# Altium PCB Iris.PcbDoc (part 11 of 13)
Units mm, origin at the board's own origin, x right, y up, seen from the top; angles counter-clockwise.
Board outline 100 x 72 mm, 6 copper layers (Top Layer, PowerPlane1, MidLayer1, MidLayer2, PowerPlane2, Bottom Layer), stack 1.561 mm thick; 396 components, 379 nets, 1616 pads, 658 vias.
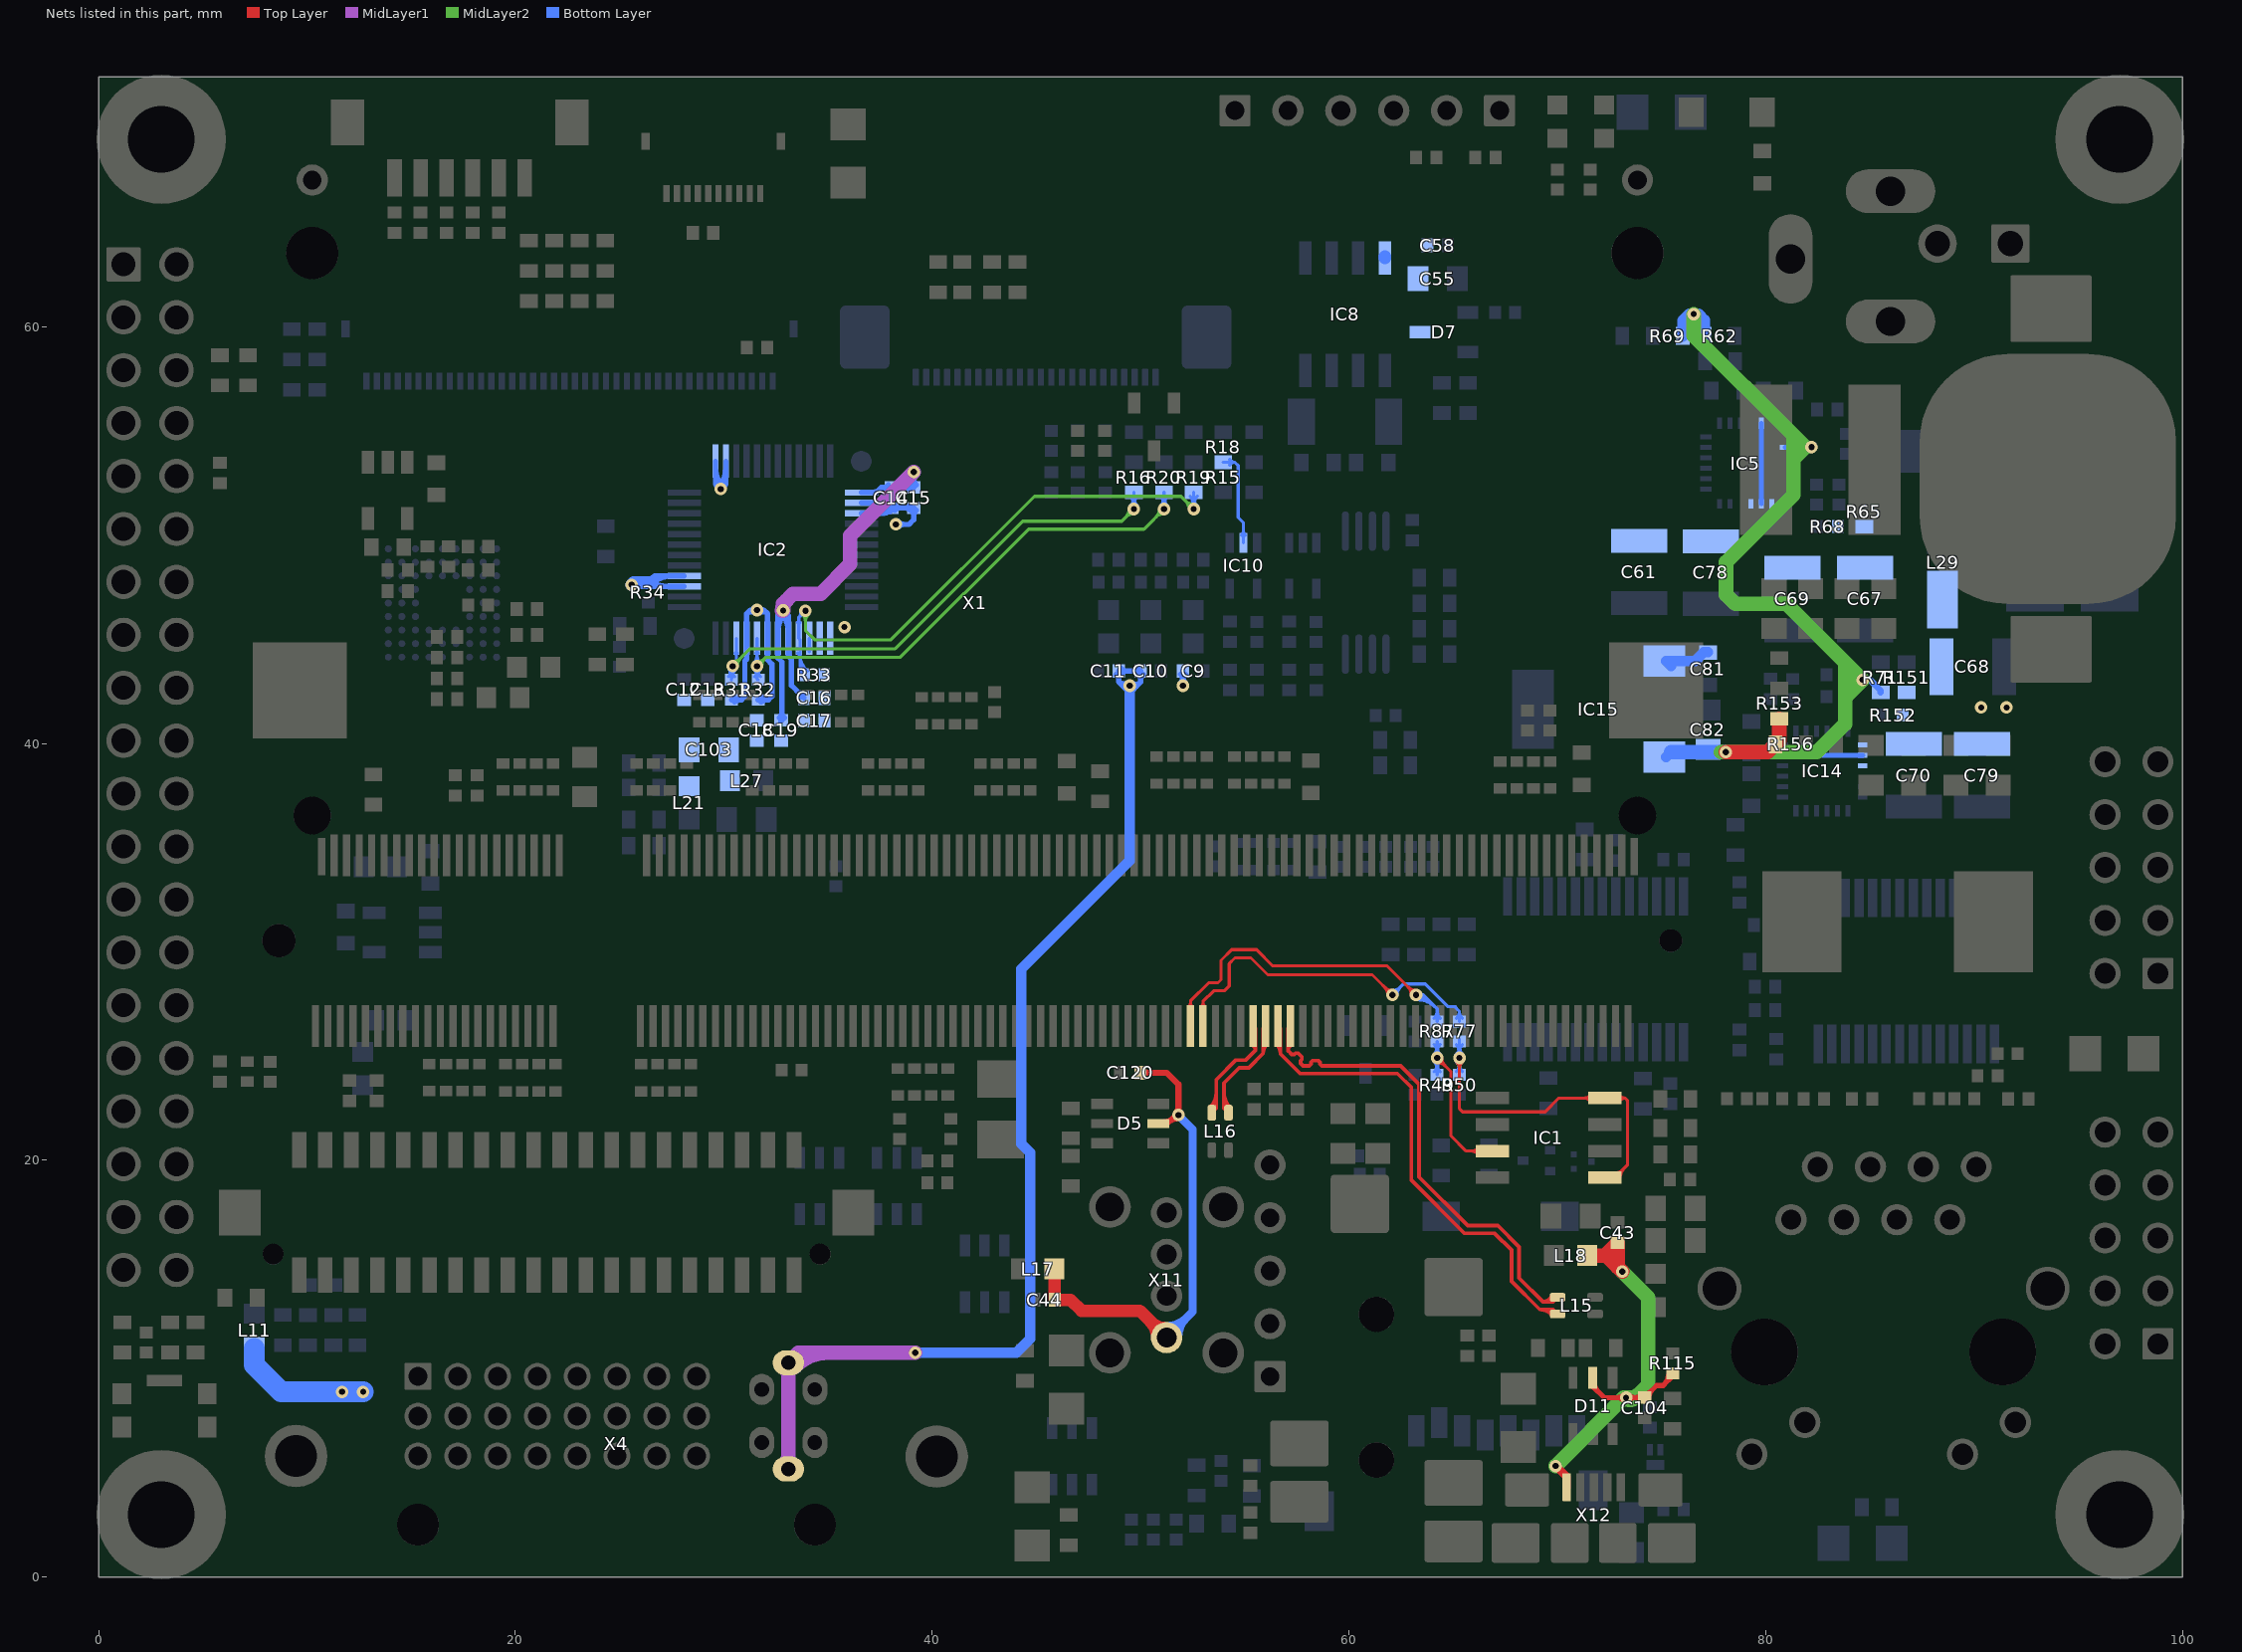
[diagram p15: the nets of this part, all layers, seen from the top]

## Via types
v1: diameter 0.6, hole 0.3, Top Layer to Bottom Layer, tented both sides, 651 vias
v2: diameter 0.55, hole 0.3, Top Layer to Bottom Layer, tented both sides, 7 vias

## Nets (pads, with @x,y where several pads share a name; then routed paths per layer and width w, separated by ;. In a path a pad name is that pad's centre, name@x,y a point inside that pad or via, vN(x,y) a via of type N, cw(c..) or ccw(c..) an arc to the next point about the centre after c; other vN are vias at no path point) (continued)
USB_OC: IC1.5 IC1.8 R50.1 R77.2 | length 24.5
  Top Layer w0.152: v1@65.147,24.759 cw(c64.765,24.377) 65.305,24.377 cw(c65.845,24.377) v1@65.463,24.759 ; v1@65.305,24.994 v1(65.305,24.917) 65.305,22.478 65.456,22.327 69.418,22.327 70.079,22.987 73.254,22.987 ; IC1.8@71.638,22.829 ccw(c71.256,22.447) 71.256,22.987 ccw(c71.256,23.527) IC1.8@71.638,23.145 ; IC1.5@72.296,19.177 72.771,19.177 73.381,19.787 73.381,22.86 73.254,22.987 ; IC1.5@72.796,19.401 ccw(c72.796,19.881) 73.135,19.541 ; IC1.8@72.973,22.85 cw(c73.254,22.631) 73.254,22.987 ; IC1.8@72.973,23.124 ccw(c73.254,23.343) 73.254,22.987 ; IC1.5@73.02,19.177 cw(c73.62,19.177) 73.196,19.602
  Bottom Layer w0.152: v1@65.147,24.759 cw(c64.768,24.38) R50.1@65.303,24.38 ; v1@65.147,25.076 ccw(c64.768,25.454) R77.2@65.303,25.454 ; R50.1@65.156,24.25 ccw(c64.799,24.606) 65.303,24.606 ccw(c65.807,24.606) R50.1@65.451,24.25 ; R77.2@65.156,25.56 cw(c64.799,25.203) 65.303,25.203 cw(c65.807,25.203) R77.2@65.451,25.56 ; v1@65.181,25.104 ccw(c65.065,25.279) 65.268,25.334 ; v1@65.193,25.111 ccw(c65.051,25.356) 65.325,25.283 ; 65.281,25.289 ccw(c65.563,25.364) v1@65.417,25.111 ; R50.1@65.303,24.102 R77.2@65.303,25.809 ; R50.1@65.303,24.374 cw(c65.849,24.374) v1@65.463,24.759 ; R77.2@65.303,25.461 ccw(c65.849,25.461) v1@65.463,25.076 ; 65.337,25.329 ccw(c65.532,25.277) v1@65.424,25.107
USB_OC_S: R77.1 X1.131 | length 19.8
  Top Layer w0.152: X1.131@52.93,27.392 ccw(c52.761,27.56) 53,27.56 ccw(c53.239,27.56) X1.131@53.07,27.392 ; X1.131@53,26.446 53,27.625 53.51,28.135 54.018,28.135 54.254,28.372 54.254,29.439 54.534,29.718 55.296,29.718 56.109,28.905 61.123,28.905 v1(62.092,27.936) ; v1@61.869,27.936 ccw(c61.328,27.936) 61.71,28.318 ccw(c62.092,28.7) v1@62.092,28.16
  Bottom Layer w0.152: v1(62.092,27.936) 62.619,28.462 63.664,28.462 64.745,27.381 65.075,27.381 65.303,27.153 ; v1@62.092,28.16 ccw(c62.092,28.7) 62.474,28.318 ccw(c62.856,27.936) v1@62.316,27.936 ; R77.1@65.16,26.819 ccw(c64.844,27.153) 65.303,27.153 ; R77.1@65.303,26.667 65.303,27.153 ; R77.1@65.447,26.819 cw(c65.763,27.153) 65.303,27.153
USB_P_EN: IC1.3 R49.1 R87.2 | length 13.9
  Top Layer w0.152: v1@64.237,24.694 cw(c64.237,24.153) 64.619,24.535 cw(c65.001,24.917) v1@64.46,24.917 ; v1(64.237,24.917) 64.897,24.257 64.897,21.184 65.634,20.447 IC1.3@66.896,20.447 ; IC1.3@66.238,20.289 ccw(c65.856,19.907) 65.856,20.447 ccw(c65.856,20.987) IC1.3@66.238,20.605
  Bottom Layer w0.152: v1@64.078,24.759 cw(c63.696,24.377) 64.237,24.377 cw(c64.777,24.377) v1@64.395,24.759 ; v1@64.078,25.076 ccw(c63.696,25.458) 64.237,25.458 ccw(c64.777,25.458) v1@64.395,25.076 ; R49.1@64.089,24.25 ccw(c63.733,24.606) 64.237,24.606 ccw(c64.741,24.606) R49.1@64.384,24.25 ; R87.2@64.089,25.56 cw(c63.733,25.203) 64.237,25.203 cw(c64.741,25.203) R87.2@64.384,25.56 ; v1@64.115,25.105 ccw(c64.003,25.278) 64.202,25.332 ; v1@64.125,25.111 ccw(c63.981,25.36) 64.259,25.286 ; 64.214,25.286 ccw(c64.492,25.36) v1@64.349,25.111 ; R49.1@64.237,24.105 v1(64.237,24.917) R87.2@64.237,25.707 ; 64.271,25.332 ccw(c64.47,25.278) v1@64.358,25.105
USB_P_EN_S: R87.1 X1.129 | length 21.2
  Top Layer w0.152: X1.129@52.33,27.392 ccw(c52.161,27.56) 52.4,27.56 ccw(c52.639,27.56) X1.129@52.47,27.392 ; X1.129@52.4,26.446 52.4,27.653 53.271,28.524 53.721,28.524 53.865,28.668 53.865,29.6 54.373,30.107 55.567,30.107 56.337,29.337 61.825,29.337 v1(63.226,27.936) ; v1@63.002,27.936 ccw(c62.462,27.936) 62.844,28.318 ccw(c63.226,28.7) v1@63.226,28.16
  Bottom Layer w0.152: v1@63.226,27.712 cw(c63.226,26.316) 64.213,27.303 ; v1@63.226,27.865 cw(c63.226,26.837) 63.953,27.564 ; v1(63.226,27.936) 63.58,27.936 ; v1@63.226,28.017 cw(c63.226,27.357) 63.693,27.824 ; v1@63.428,27.84 cw(c63.58,27.767) 63.58,27.936 ; v1@63.428,28.032 ccw(c63.58,28.105) 63.58,27.936 ; R87.1@64.089,26.815 ccw(c63.733,27.171) 64.237,27.171 ccw(c64.741,27.171) R87.1@64.384,26.815 ; R87.1@64.237,26.667 64.237,27.28 63.58,27.936
USBC_N: L15.1 X1.145 | length 24.6
  Top Layer w0.18: 57.085,25.244 cw(c57.456,25.244) X1.145@57.248,25.551 ; X1.145@57.2,26.446 57.085,26.331 57.085,25.262 57.259,25.087 57.382,25.087 57.44,25.145 57.563,25.145 57.747,24.961 57.747,24.838 57.689,24.78 57.689,24.658 57.81,24.536 57.963,24.536 58.093,24.536 58.18,24.623 58.18,24.705 58.267,24.791 58.527,24.791 58.614,24.705 58.614,24.623 58.701,24.536 59.36,24.536 62.484,24.536 63.373,23.647 63.373,19.202 65.71,16.866 67.158,16.866 68.174,15.85 68.174,14.351 69.309,13.215 ; 69.602,13.215 ccw(c69.602,13.557) L15.1@69.907,13.403 ; L15.1@69.746,13.484 cw(c69.309,13.704) 69.309,13.215 ; L15.1@70.018,13.43 69.803,13.215 69.309,13.215
USBC_P: L15.4 X1.143 | length 24.9
  Top Layer w0.18: X1.143@56.54,25.561 cw(c56.117,25.138) 56.715,25.138 ; X1.143@56.6,26.446 56.715,26.331 56.715,25.109 57.657,24.166 62.331,24.166 63.003,23.494 63.003,19.049 65.557,16.496 67.004,16.496 67.804,15.696 67.804,14.198 69.156,12.845 ; 69.531,12.845 cw(c69.531,12.372) L15.4@69.9,12.668 ; L15.4@69.759,12.555 ccw(c69.156,12.073) 69.156,12.845 ; L15.4@70.018,12.63 69.803,12.845 69.156,12.845
USBH_N: L16.1 X1.141 | length 7.1
  Top Layer w0.18: 54.008,22.826 ccw(c54.597,22.826) L16.1@54.18,22.409 ; 54.008,23.261 ccw(c55.031,23.261) L16.1@54.307,22.537 ; L16.1@54.223,22.287 54.008,22.502 54.008,23.716 54.738,24.446 55.205,24.446 55.885,25.126 55.885,26.331 X1.141@56,26.446 ; 55.885,25.138 cw(c56.483,25.138) X1.141@56.06,25.561
USBH_P: L16.4 X1.139 | length 7
  Top Layer w0.18: L16.4@53.338,22.537 ccw(c52.614,23.261) 53.638,23.261 ; L16.4@53.423,22.287 53.638,22.502 53.638,23.869 54.585,24.816 55.052,24.816 55.515,25.279 55.515,26.331 X1.139@55.4,26.446 ; L16.4@53.465,22.409 ccw(c53.048,22.826) 53.638,22.826 ; X1.139@55.355,25.549 cw(c55.174,25.26) 55.515,25.26
V_BACKUP: C55.2 C58.2 D7.3 IC8.8 | length 0.1
  Bottom Layer w0.6: IC8.8@61.722,63.304 IC8.8@61.722,63.373
V_SUPPLY_FILT: C61.2 C67.2 C68.2 C69.2 C70.2 C78.2 C79.2 C81.2 IC5.7 IC5.8 IC5.9 IC5.22-NC IC14.7 IC14.8 IC14.9 IC14.22-NC IC15.1 L11.1 L29.2 R65.1 R68.2 R151.1 R152.2 | length 16.8
  Bottom Layer w0.25: IC5.8@79.795,51.517 IC5.22-NC@79.795,55.367 ; IC14.22-NC@80.802,39.434 IC14.8@84.652,39.434
  Bottom Layer w0.5: IC15.1@75.466,43.725 75.235,43.956 76.62,43.956 77.05,44.385 C81.2@77.241,44.385
  Bottom Layer w1: L11.1@7.468,10.973 7.468,10.185 8.763,8.89 v1(12.691,8.89)
  other v1: 11.675,8.89 90.348,41.732 91.567,41.732
VCC_USB1: C44.2 C120.2 D5.5 L17.2 X11.1 | length 30.5
  Top Layer w0.254: D5.5@50.854,21.768 51.283,21.768 51.689,22.174 v1(51.816,22.174) ; D5.5@51.169,21.851 ccw(c51.169,22.326) 51.505,21.99 ; D5.5@51.304,21.789 cw(c51.816,21.277) 51.816,22.001 ccw(c51.816,21.277) D5.5@51.304,21.789
  Top Layer w0.3: C120.2@49.994,24.206 51.257,24.206 51.816,23.647 v1(51.816,22.174) ; C120.2@50.093,24.107 cw(c50.332,23.868) 50.332,24.206 cw(c50.332,24.544) C120.2@50.093,24.305 ; 51.816,22.536 cw(c51.454,22.536) 51.71,22.28 ccw(c51.454,22.536) 51.816,22.536 ; 51.816,22.536 ccw(c52.178,22.536) 51.922,22.28 cw(c52.178,22.536) 51.816,22.536
  Top Layer w0.6: L17.2@45.88,14.529 C44.2@45.88,13.31 46.634,13.31 47.168,12.776 49.966,12.776 X11.1@51.252,11.49 ; X11.1@50.802,11.49 ccw(c49.716,11.49) 50.484,12.258 ccw(c51.252,13.026) X11.1@51.252,11.94
  Bottom Layer w0.4: X11.1@51.252,11.49 52.502,12.74 52.502,21.488 v1(51.816,22.174) v1@51.816,22.25 ; X11.1@51.252,12.04 ccw(c51.252,13.368) 52.191,12.429 ccw(c53.13,11.49) X11.1@51.802,11.49
VCC_USB2: C43.2 C104.2 D11.5 L18.2 R115.1 X12.1 | length 27
  Top Layer w0.254: D11.5@71.708,9.559 71.708,9.166 72.263,8.611 C104.2@74.193,8.611 ; D11.5@71.791,9.244 ccw(c72.181,9.244) 71.905,8.969 ; v1@73.182,8.488 ccw(c72.887,8.193) 72.887,8.611 ccw(c72.887,9.028) v1@73.182,8.733 ; v1@73.427,8.488 cw(c73.722,8.193) 73.722,8.611 cw(c73.722,9.028) v1@73.427,8.733 ; 73.742,8.611 ccw(c73.742,9.029) C104.2@74.038,8.733 ; 73.778,8.611 cw(c73.778,8.242) C104.2@74.038,8.503 ; C104.2@74.193,8.618 74.77,9.195 75.082,9.195 75.54,9.652 R115.1@75.54,9.782 ; C104.2@74.233,8.781 ccw(c74.233,9.078) C104.2@74.443,8.868 ; C104.2@74.396,8.618 cw(c74.886,8.618) 74.54,8.965 ; 75.136,9.248 ccw(c74.602,9.782) R115.1@75.357,9.782
  Top Layer w0.4: v1(69.926,5.334) 70.456,4.804 X12.1@70.456,4.315
  Top Layer w0.7: L18.2@71.437,15.43 72.283,15.43 C43.2@72.898,16.045 72.898,14.884 ; 72.352,15.43 72.898,14.884 ; v1(73.127,14.656) 72.898,14.884
  MidLayer2 w0.7: v1(69.926,5.334) 73.203,8.611 73.762,8.611 ; v1(73.127,14.656) 74.371,13.411 74.371,9.22 73.762,8.611 ; v1@73.275,8.57 ccw(c73.494,8.878) 73.762,8.611 ; v1@73.304,8.561 ccw(c73.304,9.544) 74,8.849
  other v1: 73.304,8.611
VGA_AGND: C9.2 C10.2 C11.2 C14.1 C15.1 C16.1 C17.1 C18.1 C19.1 C103.1 IC2.1 IC2.2 IC2.14 IC2.15 IC2.25 IC2.26 IC2.27 IC2.31 IC2.33 IC2.39 IC2.40 L27.2 R31.1 R32.1 R33.1 R34.1 X4.C5 | length 107.7
  MidLayer1 w0.7: X4.C5@32.921,5.362 ccw(c32.494,5.789) 33.098,5.789 ccw(c33.701,5.789) X4.C5@33.275,5.362 ; X4.C5@32.921,10.108 cw(c32.494,9.681) 33.098,9.681 cw(c33.701,9.681) X4.C5@33.275,10.108 ; X4.C5@33.098,5.185 X4.C5@33.098,10.285 33.585,10.772 v1(39.192,10.772) ; X4.C5@33.425,10.108 cw(c35.028,8.505) 35.028,10.772
  Bottom Layer w0.152: IC2.27@34.1,44.417 IC2.27@34.1,45.05
  Bottom Layer w0.254: v1@25.649,47.847 ccw(c26.37,48.569) R34.1@26.371,47.549 ; v1@25.653,47.549 25.808,47.549 R34.1@26.371,47.549 ; R34.1@26.328,47.802 cw(c26.927,47.203) 26.927,48.05 ; R34.1@26.371,47.725 26.696,48.05 IC2.40@28.1,48.05 ; R34.1@26.396,47.892 ccw(c26.396,48.235) R34.1@26.638,47.992 ; R34.1@26.508,47.622 cw(c27.54,46.59) IC2.40@27.54,48.05 ; R34.1@26.507,47.846 ccw(c27.223,48.562) 27.224,47.55 ; R34.1@26.554,47.734 cw(c26.974,47.734) 26.677,48.031 ; IC2.39@28.1,47.55 R34.1@26.371,47.549 ; 29.6,52.633 ccw(c30.272,52.633) v1@29.797,52.158 ; IC2.1@29.6,53.246 ccw(c30.885,53.246) v1@29.976,52.337 ; IC2.1@29.6,53.55 29.6,52.461 29.85,52.211 30.1,52.461 IC2.2@30.1,53.55 ; v1@29.732,52.337 ccw(c28.842,53.227) IC2.2@30.1,53.227 ; v1@29.911,52.158 ccw(c29.456,52.613) 30.1,52.613 ; R31.1@30.371,42.101 30.849,42.101 31.013,42.266 31.013,43.967 31.1,44.054 IC2.33@31.1,45.05 31.1,46.234 ; R31.1@30.508,41.989 cw(c30.778,41.719) 30.778,42.101 cw(c30.778,42.482) R31.1@30.508,42.213 ; v1@31.456,46.315 ccw(c31.277,46.197) 31.277,46.411 ; v1@31.456,46.507 cw(c31.277,46.625) 31.277,46.411 ; v1@31.501,46.269 ccw(c31.322,46.012) 31.1,46.234 ; R32.1@31.651,42.101 32.144,42.101 32.309,42.266 32.309,43.815 32.1,44.024 IC2.31@32.1,45.05 32.1,46.234 ; v1@31.699,46.269 cw(c31.878,46.012) 32.1,46.234 ; v1@31.744,46.315 cw(c31.923,46.197) 31.923,46.411 ; v1@31.744,46.507 ccw(c31.923,46.625) 31.923,46.411 ; R32.1@31.788,41.989 cw(c32.057,41.719) 32.057,42.101 cw(c32.057,42.482) R32.1@31.788,42.213 ; IC2.15@36.6,51.05 37.689,51.05 ; IC2.14@36.6,51.55 37.689,51.55 ; IC2.15@36.982,51.05 ccw(c36.982,52.341) C14.1@37.895,51.428 ; IC2.14@37.044,51.55 cw(c37.044,50.347) C14.1@37.895,51.198 ; 37.595,51.05 ccw(c37.595,51.728) C14.1@38.074,51.249 ; 37.657,51.55 cw(c37.657,50.96) C14.1@38.074,51.377 ; C14.1@37.772,51.133 ccw(c37.593,51.313) C14.1@37.847,51.313 ; C14.1@37.952,51.313 C15.1@39.117,51.314 39.117,50.75 38.887,50.52 v1(38.253,50.52) ; C14.1@37.971,51.471 cw(c37.9,51.761) 37.689,51.55 ; C14.1@37.988,51.151 ccw(c37.941,50.798) 37.689,51.05 ; C14.1@38.205,51.198 cw(c38.483,50.919) 38.483,51.313 cw(c38.483,51.706) C14.1@38.205,51.428 ; v1@38.375,50.397 cw(c38.671,50.102) 38.671,50.52 cw(c38.671,50.937) v1@38.375,50.642 ; 38.681,51.313 ccw(c38.681,51.709) C15.1@38.961,51.429 ; 38.685,51.313 cw(c38.685,50.922) C15.1@38.961,51.198 ; C15.1@39.001,51.198 cw(c38.723,50.92) 39.117,50.92 cw(c39.51,50.92) C15.1@39.232,51.198 ; C11.2@48.838,43.33 cw(c48.56,43.051) 48.953,43.051 cw(c49.347,43.051) C11.2@49.068,43.33 ; C11.2@49.068,43.37 cw(c49.347,43.091) 49.347,43.485 cw(c49.347,43.878) C11.2@49.068,43.6 ; 49.174,42.749 ccw(c49.371,42.946) v1@49.524,42.713 ; v1@49.339,42.68 ccw(c49.142,42.538) 49.142,42.781 ; v1@49.339,42.882 cw(c49.142,43.024) 49.142,42.781 ; v1@49.384,42.925 cw(c49.196,43.212) 48.953,42.969 ; v1@49.43,42.717 ccw(c49.602,42.94) 49.802,42.74 ; v1@49.585,42.918 ccw(c49.78,43.169) 50.005,42.944 ; v1@49.614,42.672 cw(c49.842,42.487) 49.842,42.781 ; v1@49.614,42.89 ccw(c49.842,43.075) 49.842,42.781 ; C10.2@49.89,43.33 cw(c49.612,43.051) 50.005,43.051 cw(c50.399,43.051) C10.2@50.12,43.33 ; C10.2@49.89,43.37 ccw(c49.612,43.091) 49.612,43.485 ccw(c49.612,43.878) C10.2@49.89,43.6 ; v1@51.915,42.903 ccw(c51.62,43.199) 52.037,43.199 ccw(c52.455,43.199) v1@52.16,42.903 ; C9.2@51.922,43.33 cw(c51.644,43.051) 52.037,43.051 cw(c52.431,43.051) C9.2@52.152,43.33 ; v1@51.939,42.924 ccw(c51.831,43.081) 52.016,43.131 ; v1(52.037,42.781) C9.2@52.037,43.485 ; 52.059,43.131 ccw(c52.243,43.081) v1@52.135,42.924 ; 31.1,46.234 31.277,46.411 ; 31.277,46.411 v1(31.6,46.411) 31.923,46.411 ; 31.923,46.411 32.1,46.234 ; 37.689,51.05 37.939,51.3 37.689,51.55 ; 48.953,42.969 C11.2@48.953,43.485 C10.2@50.005,43.485 50.005,42.944 ; 48.953,42.969 49.142,42.781 ; 49.142,42.781 v1(49.479,42.781) 49.842,42.781 ; 49.142,42.781 49.403,42.52 49.581,42.52 49.842,42.781 ; 49.842,42.781 50.005,42.944
  Bottom Layer w0.5: v1(39.192,10.772) 44.046,10.772 44.704,11.43 44.704,20.371 44.272,20.803 44.272,29.184 49.479,34.391 v1(49.479,42.781)
  Bottom Layer w0.6: v1(25.578,47.623) 25.679,47.725 26.371,47.725 R34.1@26.543,47.725
  other v1: 35.789,45.593 29.854,52.215
VGA_AVCC: C12.2 C13.2 C14.2 C15.2 C16.2 C17.2 C18.2 C19.2 C103.2 IC2.13 IC2.29 IC2.30 L21.2 | length 31.9
  MidLayer1 w0.7: v1@32.8,46.389 cw(c33.475,46.389) 32.998,46.866 ; v1(32.85,46.389) 32.85,46.718 33.325,47.193 34.646,47.193 36.068,48.616 36.068,49.987 v1(39.117,53.035)
  Bottom Layer w0.254: IC2.30@32.6,45.368 cw(c33.871,45.368) v1@32.972,46.267 ; 32.6,45.981 cw(c33.258,45.981) v1@32.793,46.446 ; C19.2@32.674,41.238 ccw(c32.392,41.521) 32.791,41.521 ; v1@32.728,46.267 cw(c31.829,45.368) IC2.29@33.1,45.368 ; C19.2@32.749,41.078 32.791,41.12 32.791,43.917 32.6,44.108 IC2.30@32.6,45.05 32.6,46.139 v1(32.85,46.389) 33.1,46.139 IC2.29@33.1,45.05 33.1,44.192 33.249,44.044 ; 32.791,41.512 ccw(c33.179,41.512) C19.2@32.905,41.238 ; v1@32.907,46.446 cw(c32.442,45.981) 33.1,45.981 ; IC2.29@33.123,44.398 ccw(c33.558,44.353) 33.249,44.044 ; 33.504,42.536 ccw(c33.851,42.882) C16.2@33.851,42.392 ; C16.2@33.601,42.439 cw(c33.391,42.229) C16.2@33.688,42.229 ; C16.2@33.851,42.189 33.249,42.792 33.249,44.044 ; IC2.13@36.6,52.05 37.316,52.05 37.559,52.293 C14.2@37.998,52.293 ; IC2.13@37.25,52.073 ccw(c37.25,52.289) 37.402,52.136 ; C14.2@37.895,52.178 ccw(c37.616,51.899) 37.616,52.293 ccw(c37.616,52.686) C14.2@37.895,52.408 ; C14.2@38.05,52.293 39.117,52.293 v1(39.117,53.035) ; C14.2@38.205,52.178 cw(c38.483,51.899) 38.483,52.293 cw(c38.483,52.686) C14.2@38.205,52.408 ; 38.681,52.293 ccw(c38.681,52.689) C15.2@38.961,52.409 ; 38.685,52.293 cw(c38.685,51.902) C15.2@38.961,52.178 ; v1@38.994,52.913 cw(c38.699,52.618) 39.117,52.618 cw(c39.534,52.618) v1@39.239,52.913 ; C15.2@39.001,52.409 ccw(c38.723,52.687) 39.117,52.687 ccw(c39.51,52.687) C15.2@39.232,52.409
VGA_BLUE: IC2.28 R19.2 R33.2 | length 35
  MidLayer2 w0.152: v1@33.763,46.222 cw(c33.381,45.84) 33.921,45.84 cw(c34.461,45.84) v1@34.079,46.222 ; v1(33.921,46.38) 33.921,45.429 34.366,44.983 38.024,44.983 44.907,51.867 51.943,51.867 v1(52.553,51.257) ; v1@52.329,51.257 ccw(c51.789,51.257) 52.171,51.639 ccw(c52.553,52.021) v1@52.553,51.481
  Bottom Layer w0.152: IC2.28@33.548,44.348 cw(c33.289,44.089) 33.655,44.089 ; IC2.28@33.548,45.803 ccw(c33.422,45.929) 33.6,45.929 ccw(c33.778,45.929) IC2.28@33.652,45.803 ; IC2.28@33.561,44.338 cw(c33.398,44.079) 33.696,44.147 ; R33.2@33.655,43.59 ccw(c34.126,43.59) R33.2@33.793,43.257 ; 33.655,43.958 ccw(c34.494,43.958) R33.2@33.901,43.365 ; IC2.28@33.655,44.326 ccw(c34.862,44.326) R33.2@34.008,43.473 ; v1@33.699,46.351 cw(c33.354,46.305) 33.6,46.059 ; R33.2@33.768,43.27 33.655,43.383 33.655,44.995 IC2.28@33.6,45.05 33.6,46.059 ; v1@33.892,46.158 ccw(c33.846,45.813) 33.6,46.059 ; v1(33.921,46.38) 33.6,46.059 ; R19.2@52.377,51.882 cw(c51.952,51.457) 52.553,51.457 cw(c53.153,51.457) R19.2@52.729,51.882 ; v1@52.394,51.415 ccw(c52.012,51.797) 52.553,51.797 ccw(c53.093,51.797) v1@52.711,51.415 ; v1@52.416,51.434 ccw(c52.278,51.612) 52.495,51.671 ccw(c52.844,51.764) v1@52.664,51.451 ; v1@52.441,51.451 ccw(c52.261,51.764) 52.61,51.671 ccw(c52.828,51.612) v1@52.69,51.434 ; v1(52.553,51.257) R19.2@52.553,52.058
VGA_GREEN: IC2.32 R20.2 R32.2 | length 33.5
  MidLayer2 w0.152: v1(31.6,43.713) 32.032,44.145 38.481,44.145 44.628,50.292 50.165,50.292 v1(51.13,51.257) ; v1@31.6,43.937 ccw(c31.6,44.477) 31.982,44.095 ccw(c32.364,43.713) v1@31.824,43.713 ; v1@50.906,51.257 cw(c50.366,51.257) 50.748,50.875 cw(c51.13,50.493) v1@51.13,51.033
  Bottom Layer w0.152: v1@31.442,43.555 cw(c31.06,43.173) 31.6,43.173 cw(c32.14,43.173) v1@31.758,43.555 ; v1@31.442,43.872 ccw(c31.06,44.254) 31.6,44.254 ccw(c32.14,44.254) v1@31.758,43.872 ; R32.2@31.478,43.208 ccw(c31.184,43.503) v1@31.6,43.503 ; v1@31.51,43.509 cw(c31.468,43.413) 31.569,43.386 cw(c31.735,43.341) v1@31.676,43.503 ; v1@31.541,43.498 cw(c31.493,43.321) 31.669,43.368 cw(c31.814,43.407) v1@31.728,43.53 ; IC2.32@31.548,44.348 cw(c31.422,44.222) 31.6,44.222 cw(c31.778,44.222) IC2.32@31.652,44.348 ; v1@31.6,43.627 ccw(c32.192,43.627) R32.2@31.773,43.208 ; IC2.32@31.6,45.05 31.6,43.112 R32.2@31.651,43.061 ; R20.2@50.954,51.882 cw(c50.53,51.457) 51.13,51.457 cw(c51.731,51.457) R20.2@51.306,51.882 ; v1@50.972,51.415 ccw(c50.59,51.798) 51.13,51.798 ccw(c51.67,51.798) v1@51.288,51.415 ; v1@50.993,51.434 ccw(c50.855,51.612) 51.073,51.671 ccw(c51.422,51.764) v1@51.242,51.451 ; v1@51.019,51.451 ccw(c50.839,51.764) 51.187,51.671 ccw(c51.405,51.612) v1@51.267,51.434 ; v1(51.13,51.257) R20.2@51.13,52.058
VGA_RED: IC2.34 R16.2 R31.2 | length 32.3
  MidLayer2 w0.152: v1(30.422,43.713) 31.26,44.552 38.227,44.552 44.348,50.673 49.098,50.673 v1(49.682,51.257) ; v1@30.422,43.937 ccw(c30.422,44.477) 30.804,44.095 ccw(c31.186,43.713) v1@30.646,43.713 ; v1@49.459,51.257 cw(c48.918,51.257) 49.3,50.875 cw(c49.682,50.493) v1@49.682,51.033
  Bottom Layer w0.152: R31.2@30.224,43.208 ccw(c29.867,43.565) 30.371,43.565 ccw(c30.875,43.565) R31.2@30.519,43.208 ; v1@30.244,43.578 cw(c29.982,43.38) 30.299,43.295 cw(c30.588,43.218) v1@30.493,43.501 ; v1@30.264,43.555 cw(c30.005,43.296) R31.2@30.371,43.296 ; R31.2@30.371,43.059 cw(c31.065,43.059) v1@30.579,43.554 ; R31.2@30.371,43.061 v1@30.371,43.713 ; v1@30.397,43.739 30.6,43.942 IC2.34@30.6,45.05 ; IC2.34@30.548,44.348 cw(c30.422,44.222) 30.6,44.222 cw(c30.778,44.222) IC2.34@30.652,44.348 ; R16.2@49.506,51.882 cw(c49.082,51.457) 49.682,51.457 cw(c50.283,51.457) R16.2@49.858,51.882 ; v1@49.524,51.415 ccw(c49.142,51.797) 49.682,51.797 ccw(c50.223,51.797) v1@49.841,51.415 ; v1@49.545,51.434 ccw(c49.407,51.612) 49.625,51.671 ccw(c49.974,51.764) v1@49.794,51.451 ; v1@49.571,51.451 ccw(c49.391,51.764) 49.74,51.671 ccw(c49.957,51.612) v1@49.819,51.434 ; v1(49.682,51.257) R16.2@49.682,52.058
VSTB: C82.1 IC5.2 IC15.3 R62.2 R69.1 R71.2 R153.1 R156.2 | length 49.6
  Top Layer w0.7: v1(78.092,39.587) 80.098,39.587 R156.2@80.479,39.968 80.657,40.145 R153.1@80.657,41.199
  MidLayer2 w0.6: 81.903,54.226 v1(82.208,54.226)
  MidLayer2 w0.7: v1@76.549,60.593 76.549,59.58 81.331,54.799 ; v1@77.864,39.587 82.462,39.587 83.82,40.945 83.82,43.891 ; 83.82,42.226 v1(84.658,43.065) 81.012,46.711 78.537,46.711 78.105,47.142 78.105,48.717 81.331,51.943 81.331,53.654 ; 81.331,53.654 81.331,54.799 ; 81.331,53.654 81.903,54.226 81.331,54.799
  Bottom Layer w0.254: IC5.2@80.945,54.217 82.198,54.217 v1(82.208,54.226)
  Bottom Layer w0.3: v1(84.658,43.065) 85.002,43.065 85.522,42.545 R71.2@85.522,42.455
  Bottom Layer w0.5: IC15.3@75.235,39.356 IC15.3@75.466,39.587
  Bottom Layer w0.54: R69.1@76.023,59.563 76.023,60.301 76.337,60.615 v1(76.549,60.615) 76.774,60.615 77.075,60.313 R62.2@77.075,59.563
  Bottom Layer w0.7: IC15.3@75.466,39.587 77.241,39.587 v1@78.067,39.587
VSYNC: IC10.2 R15.2 R18.2 | length 6.2
  Bottom Layer w0.152: R18.2@53.975,53.504 54.526,53.504 ; R18.2@54.284,53.372 cw(c54.526,53.216) 54.526,53.504 ; R18.2@54.285,53.371 cw(c54.526,53.219) 54.526,53.504 ; R18.2@54.285,53.637 ccw(c54.526,53.789) 54.526,53.504 ; R18.2@54.286,53.637 ccw(c54.526,53.787) 54.526,53.504 ; IC10.2@54.853,50.002 ccw(c54.641,50.213) 54.94,50.213 ccw(c55.239,50.213) IC10.2@55.028,50.002 ; IC10.2@54.94,49.639 54.94,50.597 54.686,50.851 54.686,53.344 54.526,53.504
pads on no net: D1.5 D2.5 D3.5 D4.5 D5.1 D5.6 D6.2 IC2.49 IC2.50 IC3.1 IC4.20 IC4.21 IC6.5 IC6.6 IC6.17 IC6.18 IC6.20 IC6.21 IC7.4 IC9.C2 IC10.1 IC11.4 RA13.1 RA13.5 X1. X1.3 X1.13 X1.22 X1.24 X1.75 X1.77 X1.89 X1.93 X1.94 X1.96 X1.105 X1.110 X1.111 X1.112 X1.113 X1.114 X1.115 X1.116 X1.117 X1.118 X1.119 X1.120 X1.121 X1.122 X1.123 X1.124 X1.125 X1.126 X1.127 X1.128 X1.130 X1.132 X1.134 X1.135 X1.149 X1.150 X1.151 X1.153 X1.154 X1.155 X1.156 X1.157 X1.158 X1.159 X1.160 X1.161 X1.162 X1.163 X1.164 X1.165 X1.166 X1.167 X1.168 X1.169 X1.170 X1.171 X1.172 X1.174 X1.176 X1.178 X1.180 X1.184 X1.186 X1.188 X1.BE1 X1.BE2 X2. X2.13 X3. X4. X4.4 X4.5 X4.12 X4.13 X4.20 X4.21 X5. X6.3 X7. X8.X X13.10 X14.2 X14.8 X14.10 X15. X15.7 X19.

## Polygon pours and split planes (outlines as drawn)
3.3V on MidLayer1 "Mid1 Layer - 3.3V" (solid, remove dead copper, pour order 85): 131 vertices, not listed, extent 5.08,3.683 83.693,66.37
V_SUPPLY_FILT on MidLayer1 "Mid1 Layer - V_SUPPLY_FILT" (solid, remove dead copper, pour order 86): 39 vertices, not listed, extent 11.049,0.711 95.631,42.164
PWR_IN on MidLayer1 "Mid1 Layer - PWR_IN (Connector)" (solid, remove dead copper, pour order 42): 25 vertices, not listed, extent 82.55,58.547 89.865,64.999
GND_IN on MidLayer1 "Mid1 Layer - GND_IN (Connector)" (solid, remove dead copper, pour order 67): 29 vertices, not listed, extent 82.55,62.738 93.218,68.707
AUDIO_AGND on MidLayer1 "Mid1 Layer - AUDIO_AGND" (solid, remove dead copper, pour order 82): 2.798,34.04 7.87,34.04 11.735,30.175 13.538,30.175 14.122,29.591 14.122,27.229 13.564,26.67 5.639,26.67 5.105,27.203 5.105,30.455 4.441,31.119 2.798,31.119 2.413,31.504 2.413,33.655
5V on MidLayer1 "Mid1 Layer - 5V" (solid, remove dead copper, pour order 84): 65 vertices, not listed, extent 5.512,21.285 89.484,71.374
VGA_AGND on MidLayer1 "Mid1 Layer - VGA_AGND" (solid, remove dead copper, pour order 83): 39 vertices, not listed, extent 25.146,42.291 52.578,52.705
AUDIO_AGND on MidLayer2 "Mid2 Layer - AUDIO_AGND" (solid, remove dead copper, pour order 89): 29 vertices, not listed, extent 12.319,15.926 58.852,28.448
GND_IN on MidLayer2 "Mid2 Layer - GND_IN (Connector)" (solid, remove dead copper, pour order 88): 33 vertices, not listed, extent 82.55,62.738 93.218,67.869
PWR_IN on MidLayer2 "Mid2 Layer - PWR_IN (Connector)" (solid, remove dead copper, pour order 87): 25 vertices, not listed, extent 82.55,58.674 89.865,64.999
CHASSIS_GND on MidLayer2 "Mid2 Layer - CHASSIS_GND" (solid, remove dead copper, pour order 91): 34 vertices, not listed, extent 3,0.711 97,14.884
AUDIO_AVCC on MidLayer2 "Mid2 Layer - AUDIO_AVCC" (solid, remove dead copper, pour order 90): 37 vertices, not listed, extent 12.497,5.41 62.001,33.553
DCDC1_LX on Bottom Layer "Bottom Layer - DCDC1_LX" (solid, remove dead copper, pour order 103): 78.003,54.915 78.638,54.915 78.638,51.257 78.511,51.13 77.749,51.13 77.622,51.257 77.622,53.924 77.521,54.026 74.422,54.026 74.295,54.153 74.295,57.15 74.879,57.734 78.003,57.734
V_SUPPLY_FILT on Bottom Layer "Bottom Layer - V_SUPPLY_FILT" (solid, remove dead copper, pour order 97): 45 vertices, not listed, extent 70.307,38.735 91.897,54.864
PWR_IN on Bottom Layer "Bottom Layer - PWR_IN (Connector)" (solid, remove dead copper, pour order 92): 35 vertices, not listed, extent 82.55,52.832 89.865,64.999
GND_IN on Bottom Layer "Bottom Layer - GND_IN (Connector)" (solid, remove dead copper, pour order 93): 50 vertices, not listed, extent 82.55,45.847 99.162,71.171
AUDIO_AGND on Bottom Layer "Bottom Layer - AUDIO_AGND" (solid, remove dead copper, pour order 98): 35 vertices, not listed, extent 11.354,26.01 16.51,31.293
AUDIO_AVCC on Bottom Layer "Bottom Layer - AUDIO_AVCC" (solid, remove dead copper, pour order 99): 19 vertices, not listed, extent 11.354,31.471 15.062,33.299
VGA_AVCC on Bottom Layer "Bottom Layer - VGA_AVCC" (solid, remove dead copper, pour order 101): 34.265,42.672 33.528,42.672 33.35,42.85 33.122,42.85 33.122,41.656 29.921,41.656 29.743,41.834 29.743,42.545 27.559,42.545 27.559,37.465 29.032,37.465 29.032,40.183 29.54,40.691 34.265,40.691
NetD8_1 on Bottom Layer "Bottom Layer - NetD8_1" (solid, remove dead copper, pour order 96): 38 vertices, not listed, extent 87.503,48.946 95.809,57.201
V_BACKUP on Bottom Layer "Bottom Layer - V_BACKUP" (solid, remove dead copper, pour order 95): 62.382,59.157 62.738,58.801 64.44,58.801 64.44,63.322 64.008,63.322 64.008,64.694 60.96,64.694 60.96,61.976 62.382,60.554
VGA_AGND on Bottom Layer "Bottom Layer - VGA_AGND" (solid, remove dead copper, pour order 102): 24 vertices, not listed, extent 29.464,37.465 36.093,47.295
NetC102_2 on Bottom Layer "Bottom Layer - NetC102_2" (solid, remove dead copper, pour order 100): 26.67,37.313 26.67,34.163 29.947,34.163 31.09,35.306 31.09,37.135 30.912,37.313
DCDC2_LX on Bottom Layer "Bottom Layer - DCDC2_LX" (solid, remove dead copper, pour order 104): 81.255,37.643 81.255,38.227 84.963,38.227 84.963,37.262 82.118,37.262 82.118,36.297 83.287,36.297 83.464,36.119 83.464,34.392 83.287,34.214 80.188,34.214 79.553,34.849 79.553,35.331 79.146,35.738 79.146,37.643
GND on Bottom Layer "Bottom Layer - GND" (solid, remove dead copper, pour order 94): 17 vertices, not listed, extent 13.335,24.511 15.494,27.305
GND on Bottom Layer "Bottom Layer - GND_ALL" (solid, remove dead copper, pour order 107): 40 vertices, not listed, extent -0.406,16.383 99.263,71.374
AUDIO_AGND on Bottom Layer "Bottom Layer - AUDIO_AGND" (solid, remove dead copper, pour order 106): 56.566,4.75 54.305,4.75 54.305,4.242 53.442,4.242 53.289,4.089 53.289,2.134 56.591,2.134 56.693,2.235 56.693,4.623
3.3V_MMC on Bottom Layer "Top Layer - 3.3_MMC" (solid, remove dead copper, pour order 105): 74.143,4.851 74.143,2.438 70.358,2.438 67.081,5.715 67.081,8.433 66.015,8.433 66.015,5.715 62.255,1.956 48.641,1.956 48.641,0.711 72.111,0.711 72.314,0.508 75.489,0.508 75.489,4.851
3.3V on Top Layer "Top Layer - 3.3V_SODIMM" (solid, remove dead copper, pour order 114): 70.231,38.989 70.231,37.567 71.018,37.567 72.771,35.814 72.771,33.477 68.478,33.477 68.478,34.646 68.097,34.646 68.097,32.614 68.326,32.385 76.2,32.385 76.733,32.918 76.733,38.76 76.505,38.989
DCDC1_LX on Top Layer "Top Layer - DCDC1_LX" (solid, remove dead copper, pour order 115): 77.114,49.835 81.28,49.835 81.432,49.987 81.432,57.404 81.28,57.556 74.447,57.556 74.295,57.404 74.295,53.873 74.447,53.721 76.429,53.721 76.962,53.188 76.962,49.987
5V on Top Layer "Top Layer - 5V (DCDC)" (solid, remove dead copper, pour order 118): 24 vertices, not listed, extent 76.911,28.499 93.802,39.014
DCDC2_LX on Top Layer "Top Layer - DCDC2_LX" (solid, remove dead copper, pour order 117): 83.795,28.829 79.705,28.829 79.553,28.981 79.553,36.297 79.705,36.449 83.795,36.449 83.947,36.297 83.947,28.981
GND_IN on Top Layer "Top Layer - GND_IN (Connector)" (solid, remove dead copper, pour order 109): 31 vertices, not listed, extent 79.197,62.738 93.269,71.171
ETH_AVCC on Top Layer "Top Layer-ETH_AVCC" (solid, remove dead copper, pour order 112): 21 vertices, not listed, extent 73.406,13.665 75.819,23.749
PWR_IN on Top Layer "Top Layer - PWR_IN (Connector)" (solid, remove dead copper, pour order 108): 29 vertices, not listed, extent 79.197,59.03 89.865,67.437
NetC124_2 on Top Layer "Top Layer - NetC124_2" (solid, remove dead copper, pour order 111): 19 vertices, not listed, extent 20.676,43.129 22.403,46.863
1.8V_LVDS on Top Layer "Top Layer - 1.8V_LVDS" (solid, remove dead copper, pour order 110): 36 vertices, not listed, extent 14.148,39.649 20.777,51.41
3.3V on Top Layer "Top Layer - 3.3V_SODIMM" (solid, remove dead copper, pour order 113): 21 vertices, not listed, extent 38.697,32.435 48.895,38.659
3.3V on Top Layer "Top Layer - 3.3V (DCDC)" (solid, remove dead copper, pour order 116): 51 vertices, not listed, extent 60.884,46.457 87.833,71.552
GND on Top Layer "Top Layer - GND_ALL" (solid, remove dead copper, pour order 120): 42.088,5.915 99.314,5.93 99.314,71.501 37.465,71.501 37.465,68.326 34.087,68.326 34.087,71.501 0.66,71.501 0.66,12.522 8.636,12.522 8.636,23.012 41.605,23.012 41.605,21.717 42.088,21.717
AUDIO_AGND on Top Layer "Top Layer - AUDIO_AGND" (solid, remove dead copper, pour order 119): 37 vertices, not listed, extent 53.238,0.709 66.04,22.936
GND on PowerPlane1 (split plane): 220 vertices, not listed, extent 0.51,0.51 99.49,71.49
GND on PowerPlane2 (split plane): 216 vertices, not listed, extent 0.51,0.51 99.49,71.49

## Keep-outs
Keep-Out Layer:
  lines w0.1: 99.492,71.492 99.5,71.5 68.758,71.5 68.758,72 52.045,72 52.045,71.5 0,71.5 0,0.5 66.556,0.5 66.853,0.203 76.632,0.203 76.929,0.5 99.5,0.5 99.5,9.906 100,9.906 100,22.631 99.5,22.631 99.5,27.711 100,27.711 100,40.437 99.5,40.437 99.5,49.022 100,49.022 100,56.464 99.5,56.464 99.5,71.492

## Other copper
Top Layer:
  rectangle net 3.3V: 70.231,37.567 71.374,38.012
  region net GND: 84.8,40.762 84.8,39.914 85.334,39.914 85.334,40.762
  region net GND: 86.832,40.762 86.832,39.914 87.366,39.914 87.366,40.762
  region net GND: 88.864,40.762 88.864,39.914 89.398,39.914 89.398,40.762
  region net GND: 90.896,40.762 90.896,39.914 91.43,39.914 91.43,40.762
  region net 5V: 91.821,38.278 84.074,38.278 84.074,37.744 91.821,37.744
  region net 5V: 85.329,37.165 85.329,38.911 84.795,38.911 84.795,37.165
  region net 5V: 87.361,37.165 87.361,38.911 86.827,38.911 86.827,37.165
  region net 5V: 89.393,37.165 89.393,38.911 88.859,38.911 88.859,37.165
  rectangle net GND: 84.228,39.177 92.05,40.005
  rectangle net 5V: 91.135,37.211 91.948,39.014
  region net 3.3V: 80.673,46.584 80.673,48.329 80.139,48.329 80.139,46.584
  region net 3.3V: 82.425,46.584 82.425,48.329 81.892,48.329 81.892,46.584
  region net 3.3V: 84.178,46.584 84.178,48.329 83.644,48.329 83.644,46.584
  region net 3.3V: 85.93,46.584 85.93,48.329 85.397,48.329 85.397,46.584
  rectangle net 3.3V: 79.248,47.168 86.563,47.701
  rectangle net GND: 80.162,44.755 80.67,45.568
  rectangle net GND: 79.477,45.608 86.614,46.294
  rectangle net GND: 66.954,7.798 67.973,8.941
  rectangle net GND: 65.653,22.557 68.351,22.987
  rectangle net 3.3V: 71.206,37.389 71.806,37.973
  rectangle net ETH_AVCC: 74.524,13.741 74.922,18.517
  rectangle net GND: 16.078,51.46 16.942,51.816
  rectangle net CHASSIS_GND: 75.268,69.793 77.56,70.815
  rectangle net GND: 22.086,25.129 22.2,25.383
  rectangle net AUDIO_AGND: 65.253,5.258 66.04,5.821
  pour cut-out: 80.975,39.878 80.975,39.091 80.874,39.091 80.874,39.776
  pour cut-out: 76.835,51.079 76.556,50.8 76.835,50.8
  pour cut-out: 82.017,50.063 81.458,50.063 81.102,49.708 81.661,49.708
  pour cut-out: 83.795,28.794 83.795,28.667 88.392,28.667 88.392,28.794
  pour cut-out: 83.515,52.603 83.515,55.753 83.414,55.651 83.028,55.651 82.55,55.173 82.55,55.016 82.22,54.686 82.22,53.772 82.55,53.442 82.55,53.241 83.035,52.756 83.363,52.756
  pour cut-out: 59.817,4.294 59.384,4.294 59.284,4.394 59.284,3.277 59.385,3.378 59.817,3.378
  pour cut-out: 41.275,23.825 41.275,25.324 41.199,25.324 41.199,23.825
  pour cut-out: 90.111,20.857 89.809,20.817 89.528,20.701 89.286,20.515 89.1,20.273 88.984,19.992 88.944,19.69 88.984,19.388 89.1,19.107 89.286,18.865 89.528,18.679 89.809,18.563 90.111,18.523 90.413,18.563 90.694,18.679 90.936,18.865 91.122,19.107 91.238,19.388 91.277,19.687 91.238,19.992 91.122,20.273 90.939,20.511 90.694,20.701 90.413,20.817
  pour cut-out: 91.948,13.85 91.979,13.539 92.069,13.24 92.217,12.965 92.415,12.724 92.656,12.526 92.931,12.378 93.23,12.288 93.541,12.257 93.852,12.288 94.151,12.378 94.424,12.525 94.667,12.724 94.865,12.965 95.013,13.24 95.103,13.539 95.134,13.85 95.103,14.161 95.013,14.46 94.865,14.735 94.667,14.976 94.426,15.174 94.151,15.322 93.852,15.412 93.541,15.443 93.23,15.412 92.931,15.322 92.656,15.174 92.415,14.976 92.217,14.735 92.069,14.46 91.979,14.161
  pour cut-out: 76.198,13.85 76.229,13.539 76.319,13.24 76.467,12.965 76.665,12.724 76.906,12.526 77.181,12.378 77.48,12.288 77.791,12.257 78.102,12.288 78.401,12.378 78.674,12.525 78.917,12.724 79.115,12.965 79.263,13.24 79.353,13.539 79.384,13.85 79.353,14.161 79.263,14.46 79.115,14.735 78.917,14.976 78.676,15.174 78.401,15.322 78.102,15.412 77.791,15.443 77.48,15.412 77.181,15.322 76.906,15.174 76.665,14.976 76.467,14.735 76.319,14.46 76.229,14.161
  pour cut-out: 40.223,7.795 39.831,7.756 39.454,7.642 39.106,7.456 38.802,7.206 38.552,6.902 38.366,6.554 38.252,6.177 38.213,5.785 38.252,5.393 38.366,5.016 38.552,4.668 38.802,4.364 39.106,4.114 39.454,3.928 39.831,3.814 40.223,3.775 40.615,3.814 40.992,3.928 41.339,4.114 41.644,4.364 41.894,4.668 42.08,5.016 42.194,5.393 42.233,5.785 42.194,6.177 42.08,6.554 41.894,6.902 41.644,7.206 41.339,7.456 40.992,7.642 40.615,7.756
  pour cut-out: 9.473,7.82 9.081,7.781 8.704,7.667 8.356,7.481 8.052,7.231 7.802,6.927 7.616,6.579 7.502,6.202 7.463,5.81 7.502,5.418 7.616,5.041 7.802,4.693 8.052,4.389 8.356,4.139 8.704,3.953 9.081,3.839 9.473,3.8 9.865,3.839 10.242,3.953 10.589,4.139 10.894,4.389 11.144,4.693 11.33,5.041 11.444,5.418 11.483,5.81 11.444,6.202 11.33,6.579 11.144,6.927 10.894,7.231 10.589,7.481 10.242,7.667 9.865,7.781
  pour cut-out: 7.214,12.929 7.214,12.497 7.112,12.497 7.112,12.929
  pour cut-out: 5.69,38.1 5.69,39.116 5.791,39.116 5.791,38.1
  pour cut-out: 19.698,66.106 19.678,65.93 19.576,65.862 19.576,66.142
  pour cut-out: 37.313,45.923 37.313,45.237 36.474,45.237 36.474,45.923
  pour cut-out: 62.205,40.538 62.408,40.335 63.17,40.335 63.348,40.513 63.348,40.234 62.382,40.234 62.078,40.538
  pour cut-out: 63.398,36.449 63.398,35.941 63.246,35.789 63.475,35.789 63.475,36.373
  pour cut-out: 44.425,59.08 44.425,58.522 43.993,58.09 41.808,58.09 41.808,59.08
  pour cut-out: 67.208,29.312 67.208,29.21 62.255,29.21 62.255,29.134 62.078,29.312
  pour cut-out: 72.342,16.08 70.335,16.08 70.258,16.004 72.342,16.004
  pour cut-out: 71.374,19.355 70.002,19.355 69.926,19.279 71.374,19.279
  pour cut-out: 13.848,68.105 20.798,68.105 20.798,70.475 13.848,70.475
  pour cut-out: 97.924,36.594 98.026,36.594 98.026,29.428 97.924,29.428
  pour cut-out: 89.925,59.252 89.925,58.928 90.026,58.928 90.052,59.03 90.103,59.08 90.214,59.115 95.462,59.115 95.462,59.252
  pour cut-out: 70.612,28.296 70.612,27.584 71.425,27.584 71.425,28.296
  pour cut-out: 72.758,27.686 72.555,27.483 55.105,27.483 55.105,26.162 51.346,22.403 47.492,22.403 47.492,21.666 44.691,21.666 44.361,21.336 44.361,14.173 45.352,14.173 45.352,12.294 45.225,12.167 44.26,12.167 43.472,11.379 43.472,9.779 45.441,9.779 45.53,9.69 45.53,9.5 45.631,9.398 47.612,9.398 47.892,9.119 48.946,9.119 49.378,8.687 49.378,7.62 48.971,7.214 49.809,7.214 49.809,8.865 54.927,8.865 54.927,22.911 60.389,22.911 60.922,22.377 60.922,17.247 62.776,15.392 66.561,15.392 66.561,12.344 69.456,12.344 69.837,11.963 69.837,8.763 69.659,8.585 69.659,7.912 69.418,7.671 66.599,7.671 66.256,8.014 66.256,11.405 66.535,11.684 67.323,11.684 67.323,12.268 66.103,12.268 66.103,0.305 75.933,0.305 75.933,11.481 73.977,11.481 72.555,12.903 72.555,14.148 69.532,14.148 68.872,14.808 68.872,16.307 67.348,17.831 65.977,17.831 65.545,18.263 65.545,24.841 65.926,25.222 68.644,25.222 69.126,24.74 69.126,22.555 70.447,22.555 71.666,23.774 75.73,23.774 75.959,23.546 75.959,0.305 96.482,0.305 96.482,24.181 94.704,24.181 93.523,25.362 93.523,26.822 93.878,27.178 94.386,27.178 95.58,25.984 96.507,25.984 96.507,22.377 96.863,22.377 96.863,26.492 96.736,26.619 96.088,26.619 94.717,27.991 93.497,27.991 92.964,27.457 86.435,27.457 85.7,26.721 77.787,26.721 76.822,27.686
  pour cut-out: 5.944,19.304 6.198,19.05 7.62,19.05 7.874,19.304 7.874,19.609 8.001,19.736 8.611,19.736 8.611,20.752 10.846,22.987 10.846,23.343 14.351,23.343 14.351,23.52 10.846,23.52 10.846,24.105 10.541,24.409 9.22,24.409 8.915,24.105 8.915,23.317 5.944,20.345
  pour cut-out: 6.401,4.09 6.299,4.394 6.147,4.699 5.969,5.004 5.791,5.233 5.613,5.436 5.385,5.639 5.182,5.791 4.978,5.918 4.775,6.02 4.496,6.147 3.963,6.325 -0.152,6.325 -0.152,-0.152 6.502,-0.152 6.502,3.607
  pour cut-out: 13.487,66.26 13.487,63.39 14.435,63.39 14.689,63.644 14.689,66.26
  pour cut-out: 95.25,63.856 95.25,63.989 94.151,63.989 94.005,64.135 94.005,65.303 94.158,65.456 99.085,65.456 99.263,65.278 99.263,65.532 93.904,65.532 93.904,63.856
  pour cut-out: 74.295,71.374 74.295,68.834 74.32,68.605 74.549,68.377 74.752,68.301 78.461,68.301 78.715,68.224 78.867,68.072 78.943,67.818 78.943,66.294 79.451,65.786 79.858,65.786 79.985,65.659 79.985,62.179 81.204,60.96 81.991,60.96 82.144,60.909 82.245,60.808 82.296,60.655 82.296,61.112 81.204,61.112 80.137,62.179 80.137,66.015 79.35,66.015 79.096,66.269 79.096,68.707 78.816,68.986 75.26,68.986 74.93,69.317 74.93,71.374
  pour cut-out: 26.213,56.845 17.983,56.845 17.983,56.109 26.213,56.109
  pour cut-out: 21.971,59.69 21.971,58.979 22.733,58.979 22.733,59.69
  pour cut-out: 31.699,59.512 31.699,57.915 32.483,57.915 32.483,59.512
  pour cut-out: 33.648,37.44 33.648,36.537 34.431,36.537 34.431,37.44
  pour cut-out: 47.549,38.659 47.549,40.386 45.601,40.386 45.601,38.659
  pour cut-out: 59.703,36.893 59.703,38.646 59.474,38.646 59.474,36.36 60.236,36.36
  pour cut-out: 60.731,40.589 59.715,40.589 59.715,40.284 59.893,40.462 60.858,40.462
  pour cut-out: 20.269,46.076 20.269,45.568 20.422,45.568 20.422,46.076
  pour cut-out: 20.98,46.987 20.396,46.987 20.396,46.888 20.98,46.888
  pour cut-out: 22.403,47.623 23.47,47.623 23.47,47.776 22.403,47.776
  pour cut-out: 23.622,48.362 23.317,48.844 23.216,48.692 23.514,48.254
  pour cut-out: 22.555,43.326 25.07,43.326 25.07,45.771 22.555,45.771
  pour cut-out: 22.256,38.146 22.256,40.208 22.104,40.208 22.104,38.146
  pour cut-out: 22.567,38.098 22.327,38.098 22.25,38.176 22.25,37.973 22.567,37.973
  pour cut-out: 25.367,38.71 25.367,37.935 25.189,37.757 24.054,37.757 24.054,37.655 25.519,37.655 25.519,37.859 25.519,38.71
  pour cut-out: 25.756,40.259 25.756,41.529 25.476,42.037 24.74,42.508 24.74,42.316 25.603,41.453 25.603,40.259
  pour cut-out: 6.706,59.113 6.315,59.113 6.315,58.961 6.706,58.961
  pour cut-out: 7.738,57.506 7.738,58.265 7.671,58.265 7.671,57.506
  pour cut-out: 4.714,24.003 4.714,29.624 4.562,29.624 4.562,24.003
  pour cut-out: 6.912,64.719 6.912,71.984 6.6,71.984 6.6,64.719
  pour cut-out: 86.81,34.217 87.557,33.684 88.34,34.008 88.341,35.077 87.557,35.399 86.81,34.866
  pour cut-out: 57.302,28.397 57.302,27.534 58.293,27.534 58.293,28.397
  pour cut-out: 40.818,56.642 41.072,56.896 41.072,56.54 40.107,56.54 40.056,56.591 40.056,56.642
  pour cut-out: 8.179,23.343 7.29,23.343 7.29,23.444 8.179,23.444
  pour cut-out: 48.29,56.329 46.944,56.329 46.487,56.786 46.487,59.047 46.385,59.047 46.334,58.996 46.334,56.126 48.29,56.126
  pour cut-out: 26.391,27.559 26.391,28.042 26.187,28.245 25.705,28.245 25.07,27.61 25.07,25.121 25.654,25.121 25.781,25.248 25.933,25.248 25.933,25.019 24.968,25.019 24.968,27.661 25.654,28.346 26.289,28.346 26.492,28.143 26.492,27.559
  pour cut-out: 10.236,25.298 8.89,25.298 8.687,25.095 8.687,24.841 8.636,24.841 8.636,25.171 8.865,25.4 10.236,25.4
  pour cut-out: 2.769,37.592 2.769,36.957 2.337,36.525 2.896,36.525 2.896,37.592
  pour cut-out: 12.598,39.37 12.598,37.516 12.344,37.262 12.7,37.262 12.7,39.37
  pour cut-out: 30.759,64.44 29.21,64.44 29.21,65.888 28.981,65.888 29.108,65.761 29.108,65.151 28.981,65.024 28.981,64.313 29.261,64.033 31.166,64.033
  pour cut-out: 37.465,66.065 52.349,66.065 52.349,71.526 37.465,71.526
  pour cut-out: 41.707,22.047 42.037,22.047 42.037,16.967 42.367,16.637 43.612,16.637 43.612,16.078 41.707,16.078
  pour cut-out: 64.135,39.345 64.846,39.345 64.846,38.633 64.135,38.633
  pour cut-out: 67.335,36.525 68.047,36.525 68.047,35.814 67.335,35.814
  pour cut-out: 67.932,42.023 67.932,41.922 70.066,41.922 70.066,42.02
  pour cut-out: 20.371,48.59 19.126,48.59 19.126,48.387 20.574,48.387
  pour cut-out: 61.468,47.32 61.468,48.438 61.316,48.285 61.316,47.473
  pour cut-out: 3.744,56.937 1.191,56.937 1.293,57.038 3.642,57.038
  pour cut-out: 2.769,60.452 2.769,59.385 4.699,59.385 4.699,60.452
  pour cut-out: 27.254,65.049 26.213,65.049 26.213,65.126 27.254,65.126
  pour cut-out: 48.725,55.855 48.725,55.449 48.649,55.449 48.649,55.855
  pour cut-out: 67.522,40.166 67.877,40.166 68.106,40.395 68.106,40.547 68.183,40.547 68.183,40.166 68.106,40.089 67.522,40.089
  pour cut-out: 76.505,39.101 77.165,39.101 77.165,39.151 76.505,39.151
  pour cut-out: 63.058,4.218 63.49,4.218 63.49,4.117 63.084,4.117 63.058,4.142
  text "Iris Rev. 2.0" at 38.224,66.844 h2.75